# Altium PCB UM-64NNP-V1 rev 0.18_norail.PcbDoc (part 4 of 5) (continued)
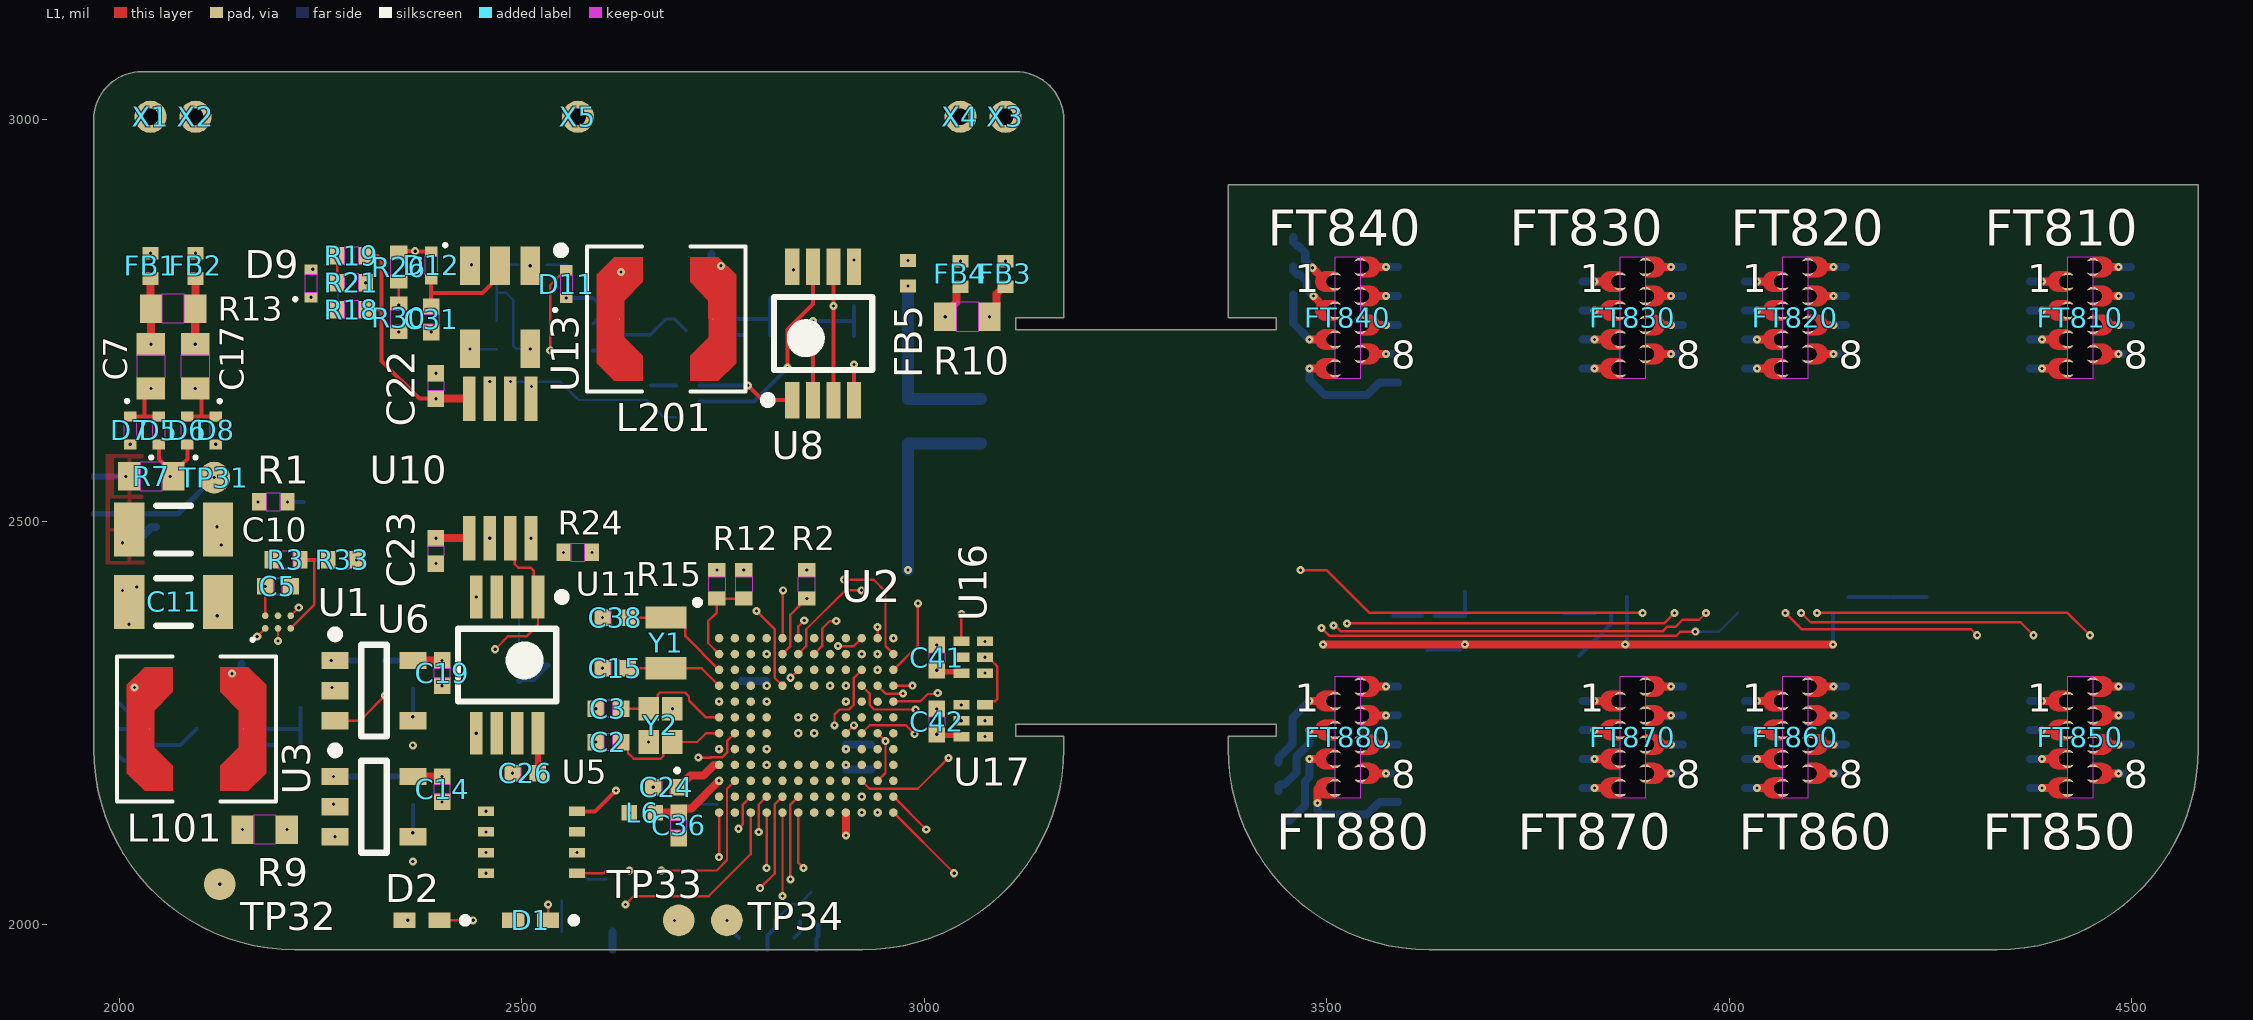
[diagram p0: L1 view]
## Nets (pads, with @x,y where several pads share a name; then routed paths per layer and width w, separated by ;. In a path a pad name is that pad's centre, name@x,y a point inside that pad or via, vN(x,y) a via of type N, cw(c..) or ccw(c..) an arc to the next point about the centre after c; other vN are vias at no path point) (continued)
  L2 w3: v1(2435.85,2714.86) v2(2435.85,2726.86)
  L5 w3: v1(2435.85,2714.86) v2(2435.85,2726.86)
  L6 w3: v1(2435.85,2714.86) 2436.44,2714.27 R32.2@2469.31,2714.27
  other v3: 2435.85,2714.86
  other v4: 2435.85,2726.86
  other v5: 2435.85,2714.86
NetR34_2: R34.2 U15.A1 U15.C2 | length 114.4
  L4 w10: v2(3618.36,2371.19) 3618.36,2386.93 v2(3646.11,2414.68)
  L5 w10: v2(3618.36,2371.19) v1(3618.36,2383.19) ; v1(3634.11,2414.68) v2(3646.11,2414.68)
  L6 w5: R34.2@3582.93,2383.19 v1(3618.36,2383.19)
NetR35_2: R35.2 R36.1 U15.C1 | length 66.9
  L6 w5: U15.C1@3634.11,2383.19 R35.2@3671.51,2383.19 R36.1@3671.51,2412.71
NetTP20_1: TP20.1 U701.N16 | length 69.3
  L6 w5: TP20.1@3813.68,2333.97 3853.05,2373.34 U701.N16@3853.05,2386.96
NetTP701_1: TP701.1 U701.N3 | length 446.4
  L1 w3: v1(4108.96,2386.96) 4420.04,2386.96 v5(4447.84,2359.16)
  L3 w3: v1(4108.96,2386.96) v2(4117.44,2378.47) ; v4(4447.84,2347.16) v5(4447.84,2359.16)
  L4 w3: v1(4108.96,2386.96) v2(4117.44,2378.47) ; v4(4447.84,2347.16) v5(4447.84,2359.16)
  L2 w3: v1(4108.96,2386.96) v2(4117.44,2378.47) ; v4(4447.84,2347.16) v5(4447.84,2359.16)
  L5 w3: v1(4108.96,2386.96) v2(4117.44,2378.47) ; v4(4447.84,2347.16) v5(4447.84,2359.16)
  other v1: 4447.84,2359.16
  other v2: 4447.84,2347.16
  other v3: 4447.84,2359.16 4108.96,2386.96
  other v4: 4117.44,2378.47
  other v5: 4108.96,2386.96
NetTP702_1: TP702.1 U701.N4 | length 396.1
  L1 w3: v5(4089.28,2386.96) 4100.99,2375.24 4361.76,2375.24 v5(4377.84,2359.16)
  L3 w3: v5(4089.28,2386.96) v4(4097.76,2378.47) ; v4(4377.84,2347.16) v5(4377.84,2359.16)
  L4 w3: v5(4089.28,2386.96) v4(4097.76,2378.47) ; v4(4377.84,2347.16) v5(4377.84,2359.16)
  L2 w3: v5(4089.28,2386.96) v4(4097.76,2378.47) ; v4(4377.84,2347.16) v5(4377.84,2359.16)
  L5 w3: v5(4089.28,2386.96) v4(4097.76,2378.47) ; v4(4377.84,2347.16) v5(4377.84,2359.16)
  other v1: 4377.84,2359.16 4089.28,2386.96
  other v2: 4377.84,2347.16 4097.76,2378.47
  other v3: 4377.84,2359.16 4089.28,2386.96
NetTP703_1: TP703.1 U701.N5 | length 345.8
  L1 w3: v1(4069.59,2386.96) 4090.08,2366.46 4300.54,2366.46 v1(4307.84,2359.16)
  L3 w3: v1(4069.59,2386.96) v2(4078.07,2378.47) ; v4(4307.84,2347.16) v1(4307.84,2359.16)
  L4 w3: v1(4069.59,2386.96) v2(4078.07,2378.47) ; v4(4307.84,2347.16) v1(4307.84,2359.16)
  L2 w3: v1(4069.59,2386.96) v2(4078.07,2378.47) ; v4(4307.84,2347.16) v1(4307.84,2359.16)
  L5 w3: v1(4069.59,2386.96) v2(4078.07,2378.47) ; v4(4307.84,2347.16) v1(4307.84,2359.16)
  other v2: 4307.84,2347.16
  other v3: 4307.84,2359.16 4069.59,2386.96
  other v4: 4078.07,2378.47
  other v5: 4307.84,2359.16 4069.59,2386.96
NetU8_1: U8.1 U9.1 | length 170.6
  L1 w5: v3(2781.07,2669.19) 2798.98,2651.29 U8.1@2836.19,2651.29
  L3 w5: v2(2769.07,2669.19) v3(2781.07,2669.19)
  L4 w5: v2(2769.07,2669.19) v3(2781.07,2669.19)
  L2 w5: v2(2769.07,2669.19) v3(2781.07,2669.19)
  L5 w5: v2(2769.07,2669.19) v3(2781.07,2669.19)
  L6 w5: U9.1@2721.03,2669.19 v3(2781.07,2669.19)
  other v1: 2781.07,2669.19
  other v4: 2769.07,2669.19
  other v5: 2781.07,2669.19
NetU8_7: U8.7 U9.2 | length 313.1
  L1 w5: v3(2830.29,2691.53) 2830.29,2739.08 2861.78,2770.57 U8.7@2861.78,2816.64
  L3 w5: v2(2821.8,2683.05) v3(2830.29,2691.53)
  L4 w5: v2(2821.8,2683.05) v3(2830.29,2691.53)
  L2 w5: v2(2821.8,2683.05) v3(2830.29,2691.53)
  L5 w5: v2(2821.8,2683.05) v3(2830.29,2691.53)
  L6 w5: U9.2@2721.03,2649.51 2788.77,2649.51 2830.29,2691.03 v3(2830.29,2691.53)
  other v1: 2830.29,2691.53
  other v4: 2821.8,2683.05
  other v5: 2830.29,2691.53
NetU11_5: U11.5 U12.1 | length 98.7
  L3 w3: v3(2443.58,2237.43) v4(2443.58,2249.43)
  L4 w3: v3(2443.58,2237.43) v4(2443.58,2249.43)
  L2 w3: v3(2443.58,2237.43) v4(2443.58,2249.43)
  L5 w3: v4(2443.58,2249.43) 2443.58,2278.76 v1(2467.2,2302.39)
  other v2: 2443.58,2249.43
  other v5: 2443.58,2237.43
NetU16_1: U16.1 U17.4 | length 150.9
  L3 w3: v4(3075.67,2221.29) v3(3075.67,2233.29) ; v4(3075.67,2300.18) v3(3075.67,2312.18)
  L4 w3: v4(3075.67,2221.29) v3(3075.67,2233.29) ; v4(3075.67,2300.18) v3(3075.67,2312.18)
  L2 w3: v4(3075.67,2221.29) v3(3075.67,2233.29) ; v4(3075.67,2300.18) v3(3075.67,2312.18)
  L5 w3: v4(3075.67,2221.29) v4(3075.67,2300.18)
  other v2: 3075.67,2221.29 3075.67,2300.18
  other v5: 3075.67,2233.29 3075.67,2312.18
NVDD: C32.1 C33.1 R28.1 R32.1 U13.5 | length 250.3
  L3 w3: v2(2498.65,2714.86) v1(2510.65,2714.86)
  L4 w3: v2(2498.65,2714.86) v1(2510.65,2714.86)
  L2 w3: v2(2498.65,2714.86) v1(2510.65,2714.86)
  L5 w3: v2(2498.65,2714.86) v1(2510.65,2714.86)
  L6 w3: R32.1@2469.31,2749.7 2469.31,2784.53 ; R28.1@2495.89,2819.35 C33.1@2467.34,2819.35 2469.31,2817.38 2469.31,2784.53 ; v1(2510.65,2714.86) 2493.68,2714.86 2489.69,2718.85 2489.69,2775.41 2480.58,2784.53 2469.31,2784.53
  other v3: 2510.65,2714.86
  other v4: 2498.65,2714.86
  other v5: 2510.65,2714.86
PA2: TP21.1 U2.K2 | length 367
  L1 w3: v5(2673.56,2067.03) 2742.31,2067.03 2755.11,2079.82 2755.11,2168.51 U2.K2@2764.98,2178.38
  L3 w3: v2(2661.56,2067.03) v5(2673.56,2067.03)
  L4 w3: v2(2585.47,2013.6) v6(2661.56,2013.6) ; v2(2661.56,2067.03) v5(2673.56,2067.03)
  L2 w3: v2(2661.56,2067.03) v5(2673.56,2067.03)
  L5 w3: v1(2576.98,2005.11) v2(2585.47,2013.6) ; v6(2661.56,2013.6) v2(2661.56,2067.03)
  other v3: 2673.56,2067.03
  other v4: 2661.56,2067.03
PA5: TP24.1 U2.M1 | length 103.4
  L1 w3: v1(2745.29,2083.58) U2.M1@2745.29,2139.01
  L3 w5: v2(2733.29,2083.58) v1(2745.29,2083.58)
  L4 w5: v2(2733.29,2083.58) v1(2745.29,2083.58)
  L2 w5: v2(2733.29,2083.58) v1(2745.29,2083.58)
  L5 w5: v2(2733.29,2083.58) v1(2745.29,2083.58)
  other v3: 2745.29,2083.58
  other v4: 2733.29,2083.58
  other v5: 2745.29,2083.58
PC4: D1.1 TP16.1 U2.M3 | length 650.7
  L1 w3: D1.1@2532.96,2005.11 v3(2532.96,2024.91) ; v3(2629,2024.91) 2639.27,2035.19 2732.51,2035.19 2784.66,2087.33 U2.M3@2784.66,2139.01
  L3 w5: v4(2520.96,2024.91) v3(2532.96,2024.91) ; v4(2617,2024.91) v3(2629,2024.91)
  L4 w3: v6(2299.08,2024.91) v3(2629,2024.91)
  L2 w5: v4(2520.96,2024.91) v3(2532.96,2024.91) ; v4(2617,2024.91) v3(2629,2024.91)
  L5 w3: v1(2299.08,2005.11) v6(2299.08,2024.91)
  other v5: 2532.96,2024.91 2629,2024.91
PD8: TP26.1 U2.L12 | length 163
  L1 w3: U2.L12@2961.83,2158.69 v3(3002.57,2117.94)
  L3 w3: v3(3002.57,2117.94) v4(3014.57,2117.94)
  L4 w3: v3(3002.57,2117.94) v4(3014.57,2117.94)
  L2 w3: v3(3002.57,2117.94) v4(3014.57,2117.94)
  L5 w3: v4(3014.57,2117.94) v1(3083.96,2117.94)
  other v2: 3014.57,2117.94
  other v5: 3002.57,2117.94
PD10: TP15.1 U2.M12 | length 154.7
  L1 w3: U2.M12@2961.83,2139.01 v1(3037.26,2063.57)
  L3 w5: v2(3028.77,2072.06) v1(3037.26,2063.57)
  L4 w5: v2(3028.77,2072.06) v1(3037.26,2063.57)
  L2 w5: v2(3028.77,2072.06) v1(3037.26,2063.57)
  L5 w5: v2(3028.77,2072.06) v1(3037.26,2063.57)
  other v3: 3037.26,2063.57
  other v4: 3028.77,2072.06
  other v5: 3037.26,2063.57
PF13: D2.1 TP35.1 U2.M5 | length 632.1
  L1 w3: D2.1@2397.91,2005.11 v5(2439.89,2005.11) v5@2440,2005 ; v5(2824.03,2035.29) U2.M5@2824.03,2139.01
  L3 w5: v4(2427.89,2005.11) v5(2439.89,2005.11) ; v4(2812.03,2035.29) v5(2824.03,2035.29)
  L4 w3: v6(2440.05,2035.29) v5(2824.03,2035.29)
  L4 w5: v4(2427.89,2005.11) v5(2439.89,2005.11)
  L2 w5: v4(2427.89,2005.11) v5(2439.89,2005.11) ; v4(2812.03,2035.29) v5(2824.03,2035.29)
  L5 w3: v1@2439.97,2005.03 2439.97,2035.21 v6(2440.05,2035.29)
  L5 w5: v4(2427.89,2005.11) v5(2439.89,2005.11)
  other v1: 2439.89,2005.11
  other v2: 2427.89,2005.11
  other v3: 2439.89,2005.11 2824.03,2035.29
PF15: TP2.1 U2.L6 | length 393.5
  L1 w3: v3(2833.9,2056.03) 2833.9,2148.88 U2.L6@2843.72,2158.69
  L3 w3: v4(2821.9,2056.03) v3(2833.9,2056.03)
  L4 w3: v2(2617,2056.03) 2618.89,2056.03 2623.39,2051.53 2725.45,2051.53 2729.95,2056.03 v3(2833.9,2056.03)
  L2 w3: v4(2821.9,2056.03) v3(2833.9,2056.03)
  L5 w3: v1(2605,2056.03) v2(2617,2056.03)
  L6 w3: TP2.1@2576.98,2061.28 2582.24,2056.03 v1(2605,2056.03)
  other v5: 2833.9,2056.03
PG0: TP22.1 U2.M6 | length 119.6
  L1 w3: U2.M6@2843.72,2139.01 2843.72,2076.28 v5(2850,2070)
  L3 w5: v4(2850,2058) v5(2850,2070)
  L4 w5: v4(2850,2058) v5(2850,2070)
  L2 w5: v4(2850,2058) v5(2850,2070)
  L5 w5: v4(2850,2058) v5(2850,2070)
  other v1: 2850,2070
  other v2: 2850,2058
  other v3: 2850,2070
PGOOD: U2.A5 U101.10 | length 950.4
  L1 w3: U2.A5@2824.03,2355.54 2824.48,2355.99 2824.48,2414.5 v5(2824.92,2414.95)
  L3 w3: v4(2812.92,2414.95) v5(2824.92,2414.95)
  L4 w3: v2(2164.32,2203.38) 2235.64,2203.38 2245.56,2213.29 v6(2316.61,2213.29) ; v6(2316.61,2394.93) 2457.3,2394.93 2477.32,2414.95 v5(2824.92,2414.95)
  L2 w3: v4(2812.92,2414.95) v5(2824.92,2414.95)
  L5 w3: v1(2152.32,2203.38) v2(2164.32,2203.38) ; v6(2316.61,2213.29) v6(2316.61,2394.93)
  other v3: 2824.92,2414.95
RESETn: C1.2 U2.G2 | length 359.8
  L1 w3: v5(2719.43,2207.26) 2734.8,2207.26 2735.42,2207.88 2749.3,2207.88 2755.16,2213.74 2755.16,2227.62 U2.G2@2764.98,2237.43
  L3 w3: v4(2710.95,2198.78) v5(2719.43,2207.26)
  L4 w3: v4(2710.95,2198.78) v5(2719.43,2207.26)
  L2 w3: v4(2710.95,2198.78) v5(2719.43,2207.26)
  L5 w3: v1(2670.45,1990.83) 2671.06,1991.44 2671.06,2071.11 2719.43,2119.49 v1(2719.43,2149.44) 2710.95,2157.93 v2@2710.95,2200.78
  L6 w3: v1(2719.43,2149.44) C1.2@2743.32,2149.44
  other v2: 2710.95,2198.78
  other v3: 2719.43,2207.26
RXCAN: TP39.1 U2.C12 U12.4 | length 747
  L1 w3: U2.C12@2961.83,2316.17 2991.76,2346.11 v5@2991.76,2398.39
  L3 w3: v5(2992.21,2398.84) v4(3004.21,2398.84)
  L4 w3: v6(2496.3,2399.3) 2557.18,2399.3 2564.01,2406.13 2813.04,2406.13 2824.92,2394.25 2928.44,2394.25 2939.72,2405.54 2985.32,2405.54 2992.01,2398.84 v5(2992.21,2398.84)
  L2 w3: v5(2992.21,2398.84) v4(3004.21,2398.84)
  L5 w3: v6(2496.3,2399.3) 2496.3,2342.19 v1(2496.73,2341.76)
  L6 w3: v1(2496.73,2341.76) 2496.73,2396.73 TP39.1@2500,2400
  other v3: 2992.21,2398.84
SWCLK: TP17.1 U2.C11 | length 404.6
  L3 w3: v2(2933.66,2307.69) v5(2942.14,2316.17)
  L4 w3: v2(2933.66,2307.69) v5(2942.14,2316.17)
  L2 w3: v2(2933.66,2307.69) v5(2942.14,2316.17)
  L5 w3: v1(2875,2005) 2875,2071.74 2904.18,2100.92 2906.71,2100.92 2930.56,2124.77 2930.56,2257.88 2930.56,2302.7 2933.66,2305.79 v2(2933.66,2307.69)
  L6 w5: 2866.29,1968.5 2866.29,1983.42 2868.42,1985.56 2868.42,1998.42 v1(2875,2005)
  other v3: 2942.14,2316.17
  other v4: 2933.66,2307.69
SWDIO: TP18.1 U2.C10 | length 432.3
  L1 w3: v5(2888.65,2247.3) 2888.65,2260.59 2895,2266.93 2906.78,2266.93 2912.64,2272.79 2912.64,2306.36 U2.C10@2922.46,2316.17
  L3 w5: v2(2888.65,2235.3) v5(2888.65,2247.3)
  L4 w5: v2(2888.65,2235.3) v5(2888.65,2247.3)
  L2 w5: v2(2888.65,2235.3) v5(2888.65,2247.3)
  L5 w3: v1(2859.96,2040.49) 2859.96,2203.59 2881.39,2225.01 2881.39,2226.14 2888.65,2233.41 v2(2888.65,2235.3)
  L6 w3: TP18.1@2815,2005 2834.91,2024.91 2844.38,2024.91 v1(2859.96,2040.49)
  L6 w5: 2805.33,1968.83 2805.33,1986.03 2815,1995.7 TP18.1@2815,2005
  other v3: 2888.65,2247.3
  other v4: 2888.65,2235.3
SWO: U2.C6 | length 375
  L1 w3: v3(2833.9,2306.36) U2.C6@2843.72,2316.17
  L3 w3: v2(2833.9,2294.36) v3(2833.9,2306.36)
  L4 w3: v2(2833.9,2294.36) v3(2833.9,2306.36)
  L2 w3: v2(2833.9,2294.36) v3(2833.9,2306.36)
  L5 w3: v2(2833.9,2294.36) 2833.9,2284.24 2825.73,2276.07 2825.73,2225.01 2833.9,2216.84 2833.9,2193.74 2839.94,2187.69 2839.94,2038.04 2845.99,2032 v1(2845.99,2003.8)
  L6 w5: 2839.19,1983.8 2845.99,1990.6 v1(2845.99,2003.8)
  other v4: 2833.9,2294.36
  other v5: 2833.9,2306.36
TXCAN: R24.2 TP40.1 U2.B12 U10.2 | length 684.8
  L1 w3: U10.2@2460.45,2479.74 v1(2460.57,2479.63) ; v3(2900.65,2428.19) 2937.41,2428.19 2951.96,2413.64 2951.96,2345.73 U2.B12@2961.83,2335.86
  L3 w3: v4(2888.65,2428.19) v3(2900.65,2428.19)
  L3 w5: v1(2460.57,2479.63) v2(2472.57,2479.63) ; v3(2551.99,2438.03) v4(2551.99,2450.03)
  L4 w3: v2(2472.57,2479.63) 2514.17,2438.03 v3(2551.99,2438.03) 2619.15,2438.03 2628.99,2428.19 v3(2900.65,2428.19)
  L4 w5: v1(2460.57,2479.63) v2(2472.57,2479.63)
  L2 w3: v4(2888.65,2428.19) v3(2900.65,2428.19)
  L2 w5: v1(2460.57,2479.63) v2(2472.57,2479.63) ; v4(2551.99,2450.03) v5(2551.99,2462.03)
  L5 w5: v1(2460.57,2479.63) v2(2472.57,2479.63)
  other v3: 2460.57,2479.63
  other v4: 2472.57,2479.63
  other v5: 2900.65,2428.19 2460.57,2479.63
TXCANBUS: R21.2 U10.7 | length 297.9
  L3 w3: v3(2306.43,2797.02) v4(2318.43,2797.02) ; v5(2460.45,2674.23) v2(2460.45,2686.23)
  L4 w3: v3(2306.43,2797.02) v6(2414.48,2797.02) ; v5(2460.45,2674.23) v2(2460.45,2686.23)
  L2 w3: v3(2306.43,2797.02) v4(2318.43,2797.02) ; v5(2460.45,2674.23) v2(2460.45,2686.23)
  L5 w3: v6(2414.48,2797.02) 2460.45,2751.05 v2(2460.45,2686.23)
  other v3: 2460.45,2674.23
  other v4: 2460.45,2686.23
  other v5: 2306.43,2797.02
VABD: C30.1 R26.2 R30.1 U8.3 U8.6 | length 807.3
  L1 w3: v1(2347.39,2769.19) R26.2@2347.39,2798.69
  L1 w5: U8.3@2887.37,2651.29 v3(2887.37,2768.19) U8.6@2887.37,2816.64
  L3 w3: v2(2347.39,2757.19) v1(2347.39,2769.19) ; v4(2875.37,2768.19) v3(2887.37,2768.19)
  L4 w3: v2(2347.39,2757.19) v1(2347.39,2769.19) 2551.05,2769.19 2552.05,2768.19 v3(2887.37,2768.19)
  L2 w3: v2(2347.39,2757.19) v1(2347.39,2769.19) ; v4(2875.37,2768.19) v3(2887.37,2768.19)
  L5 w3: v2(2347.39,2757.19) v1(2347.39,2769.19)
  other v3: 2347.39,2769.19
  other v4: 2347.39,2757.19
  other v5: 2887.37,2768.19 2347.39,2769.19
VBATF: R12.2 TP30.1 | length 48
  L3 w10: v5(2776.04,2440.19) v4(2788.04,2440.19)
  L4 w10: v5(2776.04,2440.19) v4(2788.04,2440.19)
  L2 w10: v5(2776.04,2440.19) v4(2788.04,2440.19)
  L5 w10: v5(2776.04,2440.19) v4(2788.04,2440.19)
  other v1: 2776.04,2440.19
  other v2: 2788.04,2440.19
  other v3: 2776.04,2440.19
VDD11: C4.1 C44.1 L1.1 U2.B4 U2.M11 | length 392.2
  L3 w10: v1(2804.35,2335.86) v2(2804.35,2347.86) ; v1(2942.14,2139.01) v2(2942.14,2151.01)
  L4 w10: v1(2804.35,2335.86) v2(2804.35,2347.86) ; v6(2809,2148.65) 2853.36,2148.65 2866.63,2161.92 2931.23,2161.92 v2(2942.14,2151.01) v1(2942.14,2139.01)
  L2 w10: v1(2804.35,2335.86) v2(2804.35,2347.86) ; v1(2942.14,2139.01) v2(2942.14,2151.01)
  L5 w10: v1(2797,2148.65) v6(2809,2148.65) ; v1(2942.14,2139.01) v2(2942.14,2151.01)
  L5 w12: v1(2789.74,2200.86) 2789.74,2321.25 v1(2804.35,2335.86) v2(2804.35,2347.86)
  other v3: 2942.14,2139.01 2804.35,2335.86
  other v4: 2942.14,2151.01 2804.35,2347.86
  other v5: 2942.14,2139.01 2804.35,2335.86
VDIG: C103.1 L101.2 R9.1 R101.1 R102.1 TP7.1 U101.6 | length 185.3
  L3 w10: v2(2152.32,2311.46) v1(2152.32,2323.46) ; v1(2153.39,2117.77) v2(2153.39,2129.77)
  L4 w5: v1(2191.77,2304.01) v2(2191.77,2316.01) ; v1(2225.24,2304.01) v2(2225.24,2316.01)
  L4 w10: v2(2152.32,2311.46) v1(2152.32,2323.46) ; v1(2153.39,2117.77) v2(2153.39,2129.77)
  L2 w10: v5(2140.32,2311.46) v2(2152.32,2311.46) ; v1(2153.39,2117.77) v2(2153.39,2129.77)
  L5 w5: v1(2191.77,2304.01) v2(2191.77,2316.01) ; v1(2225.24,2304.01) v2(2225.24,2316.01)
  L5 w10: v2(2152.32,2311.46) v1(2152.32,2323.46) ; v1(2153.39,2117.77) v2(2153.39,2129.77)
  L6 w10: U101.6@2152.32,2282.12 v1(2152.32,2323.46)
  other v3: 2153.39,2117.77 2191.77,2304.01 2225.24,2304.01 2152.32,2323.46
  other v4: 2153.39,2129.77 2152.32,2311.46
  other v5: 2153.39,2117.77
VDIGM: C13.1 C18.1 R6.2 R9.2 R17.2 TP8.1 U3.1 U3.3 U6.1 | length 315.8
  L3 w5: v3(2268.38,2108.91) v4(2268.38,2120.91)
  L3 w10: v1(2208.51,2117.77) v2(2208.51,2129.77) ; v1(2263.54,2327.82) v2(2275.54,2327.82) ; v1(2266.49,2183.71) v2(2266.49,2195.71)
  L4 w5: v3(2268.38,2108.91) v4(2268.38,2120.91)
  L4 w10: v1(2208.51,2117.77) v2(2208.51,2129.77) ; v1(2263.54,2327.82) v2(2275.54,2327.82) ; v1(2266.49,2183.71) v2(2266.49,2195.71)
  L2 w5: v3(2268.38,2108.91) v4(2268.38,2120.91)
  L2 w10: v1(2208.51,2117.77) v2(2208.51,2129.77) ; v1(2263.54,2327.82) v2(2275.54,2327.82) ; v1(2266.49,2183.71) v2(2266.49,2195.71)
  L5 w5: v1(2266.49,2183.71) 2266.49,2182.36 2255.18,2171.05 2255.18,2134.11 v4(2268.38,2120.91)
  L5 w10: v1(2208.51,2117.77) v2(2208.51,2129.77) ; v1(2263.54,2327.82) v2(2275.54,2327.82) ; v1(2266.49,2183.71) v2(2266.49,2195.71)
  L6 w7: v1(2263.54,2327.82) R17.2@2294.96,2327.82 ; v1(2266.49,2183.71) R6.2@2297.91,2183.71
  other v2: 2268.38,2120.91
  other v3: 2208.51,2117.77 2266.49,2183.71 2263.54,2327.82
  other v4: 2208.51,2129.77 2266.49,2195.71 2275.54,2327.82
  other v5: 2268.38,2108.91 2208.51,2117.77 2266.49,2183.71 2263.54,2327.82
VIN: C10.1 M1.4 R1.1 R7.2 R8.1 TP5.1 U4.5 | length 406.6
  L3 w5: v4(2181.04,2533.21) v3(2189.53,2524.73)
  L3 w10: v3(2004.25,2474.18) v2(2016.25,2474.18) ; v1(2008.43,2556.42) v2(2020.43,2556.42)
  L4 w5: v2(2020.43,2556.42) 2043.63,2533.21 v4(2181.04,2533.21) v3(2189.53,2524.73)
  L4 w10: v3(2004.25,2474.18) v2(2016.25,2474.18) ; v1(2008.43,2556.42) v2(2020.43,2556.42)
  L2 w5: v5(2172.56,2524.73) v4(2181.04,2533.21)
  L2 w10: v3(2004.25,2474.18) v2(2016.25,2474.18) ; v1(2008.43,2556.42) v2(2020.43,2556.42)
  L5 w5: v4(2181.04,2533.21) v3(2189.53,2524.73)
  L5 w10: v3(2004.25,2474.18) v2(2016.25,2474.18) ; v1(2008.43,2556.42) v2(2020.43,2556.42)
  L6 w7: 1968.5,2556.42 1968.63,2556.42 v1(2008.43,2556.42)
  L6 w10: R8.1@2006.22,2474.18 v3(2004.25,2474.18) 2008.11,2478.04 2024.95,2478.04 2035.79,2488.87 2035.79,2489.86 2039.79,2493.86 U4.5@2046.04,2493.86
  other v1: 2004.25,2474.18 2189.53,2524.73
  other v2: 2181.04,2533.21
  other v3: 2008.43,2556.42
  other v4: 2016.25,2474.18 2020.43,2556.42
  other v5: 2004.25,2474.18 2008.43,2556.42
VINBUF: U1.A1 U1.C2 U2.M4 | length 1155.9
  L1 w3: v5(2171.65,2357.61) U1.A1@2181.69,2367.65 ; U1.C2@2213.18,2383.4 v3(2223.22,2393.44) ; v3(2804.35,2070.13) U2.M4@2804.35,2139.01
  L3 w3: v5(2171.65,2357.61) v4(2180.13,2366.09) ; v4(2214.74,2384.95) v3(2223.22,2393.44) ; v3(2804.35,2070.13) v4(2804.35,2082.13)
  L4 w3: v5(2171.65,2357.61) 2207.47,2393.44 v3(2223.22,2393.44) v6(2297.91,2393.44) ; v6(2297.91,2063.69) 2554.38,2063.69 2556.22,2065.53 2620.93,2065.53 2628.93,2057.53 2698.71,2057.53 2711.31,2070.13 v3@2804.39,2070.13
  L2 w3: v5(2171.65,2357.61) v4(2180.13,2366.09) ; v4(2214.74,2384.95) v3(2223.22,2393.44) ; v3(2804.35,2070.13) v4(2804.35,2082.13)
  L5 w3: v6(2297.91,2063.69) 2297.91,2066.64 v6(2297.91,2393.44)
  other v3: 2171.65,2357.61
  other v5: 2804.35,2070.13 2223.22,2393.44
VINC: U2.L4 U4.3 | length 979.5
  L1 w3: v3(2794.53,2114.87) 2794.53,2148.88 U2.L4@2804.35,2158.69
  L3 w3: v4(2794.53,2102.87) v3(2794.53,2114.87)
  L4 w3: v6(2175.43,2162.75) 2455.13,2162.75 2471.41,2146.46 2543.93,2146.46 2546.08,2144.31 2765.1,2144.31 v3(2794.53,2114.87)
  L2 w3: v4(2794.53,2102.87) v3(2794.53,2114.87)
  L5 w3: v1(2145.54,2419.06) 2175.43,2389.17 v6(2175.43,2162.75)
  other v5: 2794.53,2114.87
VINM: C11.1 C101.1 R8.2 TP6.1 U4.4 U101.4 | length 212.7
  L3 w10: v4(2004.25,2426.74) v3(2004.25,2438.74) ; v4(2012.32,2360.84) v5(2012.32,2372.84) ; v4(2034.04,2419.06) v3(2046.04,2419.06)
  L4 w10: v1(2000.33,2274.24) v2(2000.33,2286.24) ; v4(2004.25,2426.74) v3(2004.25,2438.74) ; v4(2012.32,2360.84) v5(2012.32,2372.84) ; v4(2034.04,2419.06) v3(2046.04,2419.06)
  L2 w10: v5(2004.25,2414.74) v4(2004.25,2426.74) ; v4(2012.32,2360.84) v5(2012.32,2372.84) ; v5(2022.04,2419.06) v4(2034.04,2419.06)
  L5 w10: v1(2000.33,2274.24) v2(2000.33,2286.24) ; v4(2004.25,2426.74) v3(2004.25,2438.74) ; v4(2012.32,2360.84) v5(2012.32,2372.84) ; v4(2034.04,2419.06) v3(2046.04,2419.06)
  L6 w5: v1(2000.33,2274.24) 2012.14,2262.43 U101.4@2040.12,2262.43
  other v1: 2012.32,2372.84 2046.04,2419.06 2004.25,2438.74
  other v2: 2012.32,2360.84 2034.04,2419.06 2004.25,2426.74
  other v3: 2000.33,2274.24 2012.32,2372.84
VINMON_EN: C5.1 M1.2 U1.A2 U2.D5 | length 893.9
  L1 w3: U1.A2@2181.69,2383.4 v3(2181.69,2419.81) ; v3(2791.67,2389.38) 2814.16,2366.88 2814.16,2306.36 U2.D5@2824.03,2296.49
  L3 w3: v3(2181.69,2419.81) v4(2193.69,2419.81) ; v4(2779.67,2389.38) v3(2791.67,2389.38)
  L4 w3: v3(2181.69,2419.81) v4(2193.69,2419.81) ; v6(2206.3,2375.92) 2545.11,2375.92 2566.72,2397.54 2715.57,2397.54 2723.74,2389.38 v3(2791.67,2389.38)
  L2 w3: v3(2181.69,2419.81) v4(2193.69,2419.81) ; v4(2779.67,2389.38) v3(2791.67,2389.38)
  L5 w3: v6(2206.3,2375.92) 2206.3,2407.2 v4(2193.69,2419.81) 2193.69,2421.17 2209.21,2436.69 v1(2209.21,2457.8)
  other v2: 2193.69,2419.81
  other v5: 2791.67,2389.38 2181.69,2419.81
VINRAW: D5.1 D6.1 R7.1 TP4.1 | length 142.1
  L1 w5: D5.1@2049.38,2596.28 2049.38,2578.05 2055.79,2571.63 2063.54,2563.91 R7.1@2063.54,2556.8 ; v5(2063.54,2556.42) R7.1@2063.54,2556.8 ; D6.1@2084.82,2596.28 2084.82,2578.01 2078.44,2571.63 2078.38,2571.63 R7.1@2063.54,2556.8
  L3 w10: v5(2063.54,2556.42) v4(2075.54,2556.42)
  L4 w10: v5(2063.54,2556.42) v4(2075.54,2556.42)
  L2 w10: v5(2063.54,2556.42) v4(2075.54,2556.42)
  L5 w10: v5(2063.54,2556.42) v4(2075.54,2556.42)
  other v1: 2063.54,2556.42
  other v2: 2075.54,2556.42
  other v3: 2063.54,2556.42
VLXSMPS: L1.2 U2.M10 | length 55
  L3 w10: v3(2900.65,2148.92) v4(2912.65,2148.92)
  L4 w10: v6(2883.65,2148.92) v3(2900.65,2148.92)
  L2 w10: v4(2912.65,2148.92) 2912.65,2148.81 v5(2922.46,2139.01)
  L5 w10: v1(2871.65,2148.92) v6(2883.65,2148.92)
VTN: R27.1 R28.2 U8.5 | length 433
  L3 w3: v4(2900.96,2825.2) v5(2912.96,2825.2)
  L4 w3: v2(2565.39,2810.86) 2579.24,2797.02 2754.32,2797.02 2762.04,2789.29 2823.45,2789.29 2830.29,2796.13 2883.89,2796.13 v5(2912.96,2825.2)
  L2 w3: v4(2900.96,2825.2) v5(2912.96,2825.2)
  L5 w3: v1(2556.91,2819.35) v2(2565.39,2810.86)
  L6 w3: R28.2@2531.32,2819.35 v1(2556.91,2819.35)
  other v3: 2912.96,2825.2
VTP: R25.2 R29.1 U8.2 | length 234.1
  L1 w5: U8.2@2861.78,2651.29 v3(2861.78,2749.39)
  L3 w5: v2(2861.78,2737.39) v3(2861.78,2749.39)
  L4 w5: v2(2861.78,2737.39) v3(2861.78,2749.39)
  L2 w5: v2(2861.78,2737.39) v3(2861.78,2749.39)
  L5 w5: v2(2861.78,2737.39) v3(2861.78,2749.39)
  L6 w5: v3(2861.78,2749.39) 2912.96,2749.39 ; R29.1@2912.96,2731 2912.96,2749.39 ; R25.2@2912.96,2767.78 2912.96,2749.39
  other v1: 2861.78,2749.39
  other v4: 2861.78,2737.39
  other v5: 2861.78,2749.39
pads on no net: U1.B2 U2.A1 U2.A2 U2.A3 U2.A4 U2.A7 U2.A8 U2.A9 U2.B2 U2.B3 U2.B8 U2.B9 U2.C2 U2.C3 U2.C4 U2.C5 U2.C7 U2.C8 U2.C9 U2.D2 U2.D3 U2.D6 U2.D7 U2.E2 U2.E3 U2.E10 U2.E11 U2.F2 U2.F3 U2.F4 U2.F9 U2.F10 U2.F11 U2.F12 U2.G3 U2.G4 U2.G12 U2.H2 U2.H3 U2.H10 U2.H11 U2.H12 U2.J2 U2.J3 U2.J5 U2.J6 U2.J7 U2.J8 U2.J10 U2.J11 U2.J12 U2.K3 U2.K4 U2.K5 U2.K6 U2.K7 U2.K8 U2.K9 U2.K12 U2.L1 U2.L2 U2.L7 U2.L8 U2.L9 U2.L11 U2.M2 U2.M7 U2.M8 U5.7 U9.5 U11.2 U11.3 U11.6 U11.7 U15.B2 U16.5 U201.10 U701.L17 U701.N7 U701.N9 U701.N11 U701.N13

## Polygon pours and split planes (outlines as drawn)
GND on L2 "NONET_L-01_P-001" (solid, remove dead copper, pour order 25): 4430,2410 3660.45,2410 3615.45,2455 3437.5,2455 3437.5,2335 4475,2335 4475,2365
BUSB on L2 "BUSB" (solid, remove dead copper, pour order 0): 2739,2858.51 2739,2812 2756,2812 2756,2858.5 2761.07,2858.51 2932.38,2858.51 2932.38,2640 2759.42,2640 2759.42,2620 2695,2620 2695,2660 2375,2660 2375,2858.51
GND on L2 "GND_L2" (solid, remove dead copper, pour order 1): 1968.5,2218.5 1968.5,2613.5 2139.93,2613.5 2271.67,2514.49 2520,2514.49 2710.84,2454.95 3113.5,2455 3113.5,2233.5 3173.5,2233.5 3173.5,2218.5 cw(c2923.5,2218.5) 2923.5,1968.5 2218.5,1968.5 cw(c2218.5,2218.5)
no net on Layer0 "Default Coverlay 2 Top" (split plane): 1968.5,2858.51 3173.5,2858.5 3173.5,2999.13 3173.5,3005.04 3171.2,3016.64 3166.68,3027.55 3160.11,3037.38 3151.75,3045.74 3141.92,3052.31 3131.01,3056.83 3119.41,3059.13 3113.5,3059.13 3074.14,3059.13 3074.14,3137.87 2916.66,3137.87 2916.66,3059.13 2225.36,3059.13 2225.36,3137.87 2067.88,3137.88 2067.88,3059.13 2028.5,3059.13 2022.59,3059.13 2011,3056.83 2000.08,3052.31 1990.26,3045.74 1981.9,3037.38 1975.33,3027.56 1970.81,3016.64 1968.5,3005.04 1968.5,2999.13
no net on Layer0 "Default Coverlay 2 Top" (split plane): 3113.5,2248.5 3113.5,2738.5 3437.5,2738.5 3437.5,2248.5
GND on L6 "NONET_L-01_P-001" (solid, remove dead copper, pour order 26): 3437.5,2613.34 3805,2613.34 3805,2635 4170,2635 4170,2380 4230,2380 4230,2335 3600,2335 3437.5,2335
ENCL on L6 "L6-ENCL" (solid, remove dead copper, pour order 23): 4332.5,1968.5 ccw(c4332.5,2218.5) 4582.5,2218.5 4582.5,2918.5 3377.5,2918.5 3377.5,2753.5 3437.5,2753.5 3437.5,2620 3800,2620 3800,2645 4175,2645 4175,2385 4235,2385 4235,2330 3650,2330 3650,2400 3437.5,2400 3437.5,2233.5 3377.5,2233.5 3377.5,2218.5 ccw(c3627.5,2218.5) 3627.5,1968.5
GND on L6 "GND_L2" (solid, remove dead copper, pour order 2): 1968.5,2218.5 1968.5,2613.5 2139.93,2613.5 2271.67,2514.49 2520,2514.49 2710.84,2454.95 3113.5,2455 3113.5,2233.5 3173.5,2233.5 3173.5,2218.5 cw(c2923.5,2218.5) 2923.5,1968.5 2218.5,1968.5 cw(c2218.5,2218.5)
VIN on L1 "VIN_L1" (solid, remove dead copper, pour order 3): 2031.37,2447.6 2031.37,2584.28 1968.5,2584.28 1968.5,2447.6
VINM on L3 "VINM" (solid, remove dead copper, pour order 24): 1970,2454.32 2070,2454.32 2070,2235 1970,2235
VDIG on L3 "NONET_L-01_P-001" (solid, remove dead copper, pour order 13): 2105,2095 2180,2095 2180,2150 2240,2150 2240,2340 2105,2340
VDIGM on L3 "NONET_L-01_P-001" (solid, remove dead copper, pour order 12): 2185,2145 2185,2095 2315,2095 2315,2345 2245,2345 2245,2145
DVDD on L3 "DVDD_L3" (solid, remove dead copper, pour order 4): 2316.61,1968.5 2316.61,2229.39 2417,2229.39 2417,2351.44 2316.61,2351.44 2316.61,2514.49 2520,2514.49 2710.84,2454.95 3113.5,2455 3113.5,2233.5 3173.5,2233.5 3173.5,2218.5 cw(c2923.5,2218.5) 2923.5,1968.5
GND on L5 "NONET_L-01_P-001" (solid, remove dead copper, pour order 20): 3437.5,2613.34 3805,2613.34 3805,2635 4170,2635 4170,2380 4230,2380 4230,2335 3600,2335 3437.5,2335
ENCL on L5 "L5UD-No Net" (solid, remove dead copper, pour order 19): 3377.5,2218.5 ccw(c3627.5,2218.5) 3627.5,1968.5 4332.5,1968.5 ccw(c4332.5,2218.5) 4582.5,2218.5 4582.5,2918.5 3377.5,2918.5 3377.5,2753.5 3437.5,2753.5 3437.5,2618.68 3800,2618.68 3800,2640 4175,2640 4175,2385 4235,2385 4235,2330 3590,2330 3437.5,2330 3437.5,2233.5 3377.5,2233.5
no net on Layer0 "Default Coverlay 2 Bottom" (split plane): 1968.5,2858.51 3173.5,2858.5 3173.5,2999.13 3173.5,3005.04 3171.2,3016.64 3166.68,3027.55 3160.11,3037.38 3151.75,3045.74 3141.92,3052.31 3131.01,3056.83 3119.41,3059.13 3113.5,3059.13 3074.14,3059.13 3074.14,3137.87 2916.66,3137.87 2916.66,3059.13 2225.36,3059.13 2225.36,3137.87 2067.88,3137.88 2067.88,3059.13 2028.5,3059.13 2022.59,3059.13 2011,3056.83 2000.08,3052.31 1990.26,3045.74 1981.9,3037.38 1975.33,3027.56 1970.81,3016.64 1968.5,3005.04 1968.5,2999.13
no net on Layer0 "Default Coverlay 2 Bottom" (split plane): 3113.5,2248.5 3113.5,2738.5 3437.5,2738.5 3437.5,2248.5

## Keep-outs
L3:
  region: 2722,2289.59 2750.39,2261.2 2750.39,2242.53 2713.6,2205.74 2607.73,2205.74 2607.73,2289.59
L2:
  region: 2722,2289.59 2750.39,2261.2 2750.39,2242.53 2713.6,2205.74 2607.73,2205.74 2607.73,2289.59

## Other copper
L6:
  pour cut-out: 2854.54,2124.1 2841.35,2124.1 2841.35,2209.1 2854.54,2209.1
  pour cut-out: 2803.36,2209 2816.55,2209 2816.55,2124 2803.36,2124